# KiCad board rgbwstrip120_250_panel.kicad_pcb (continued)
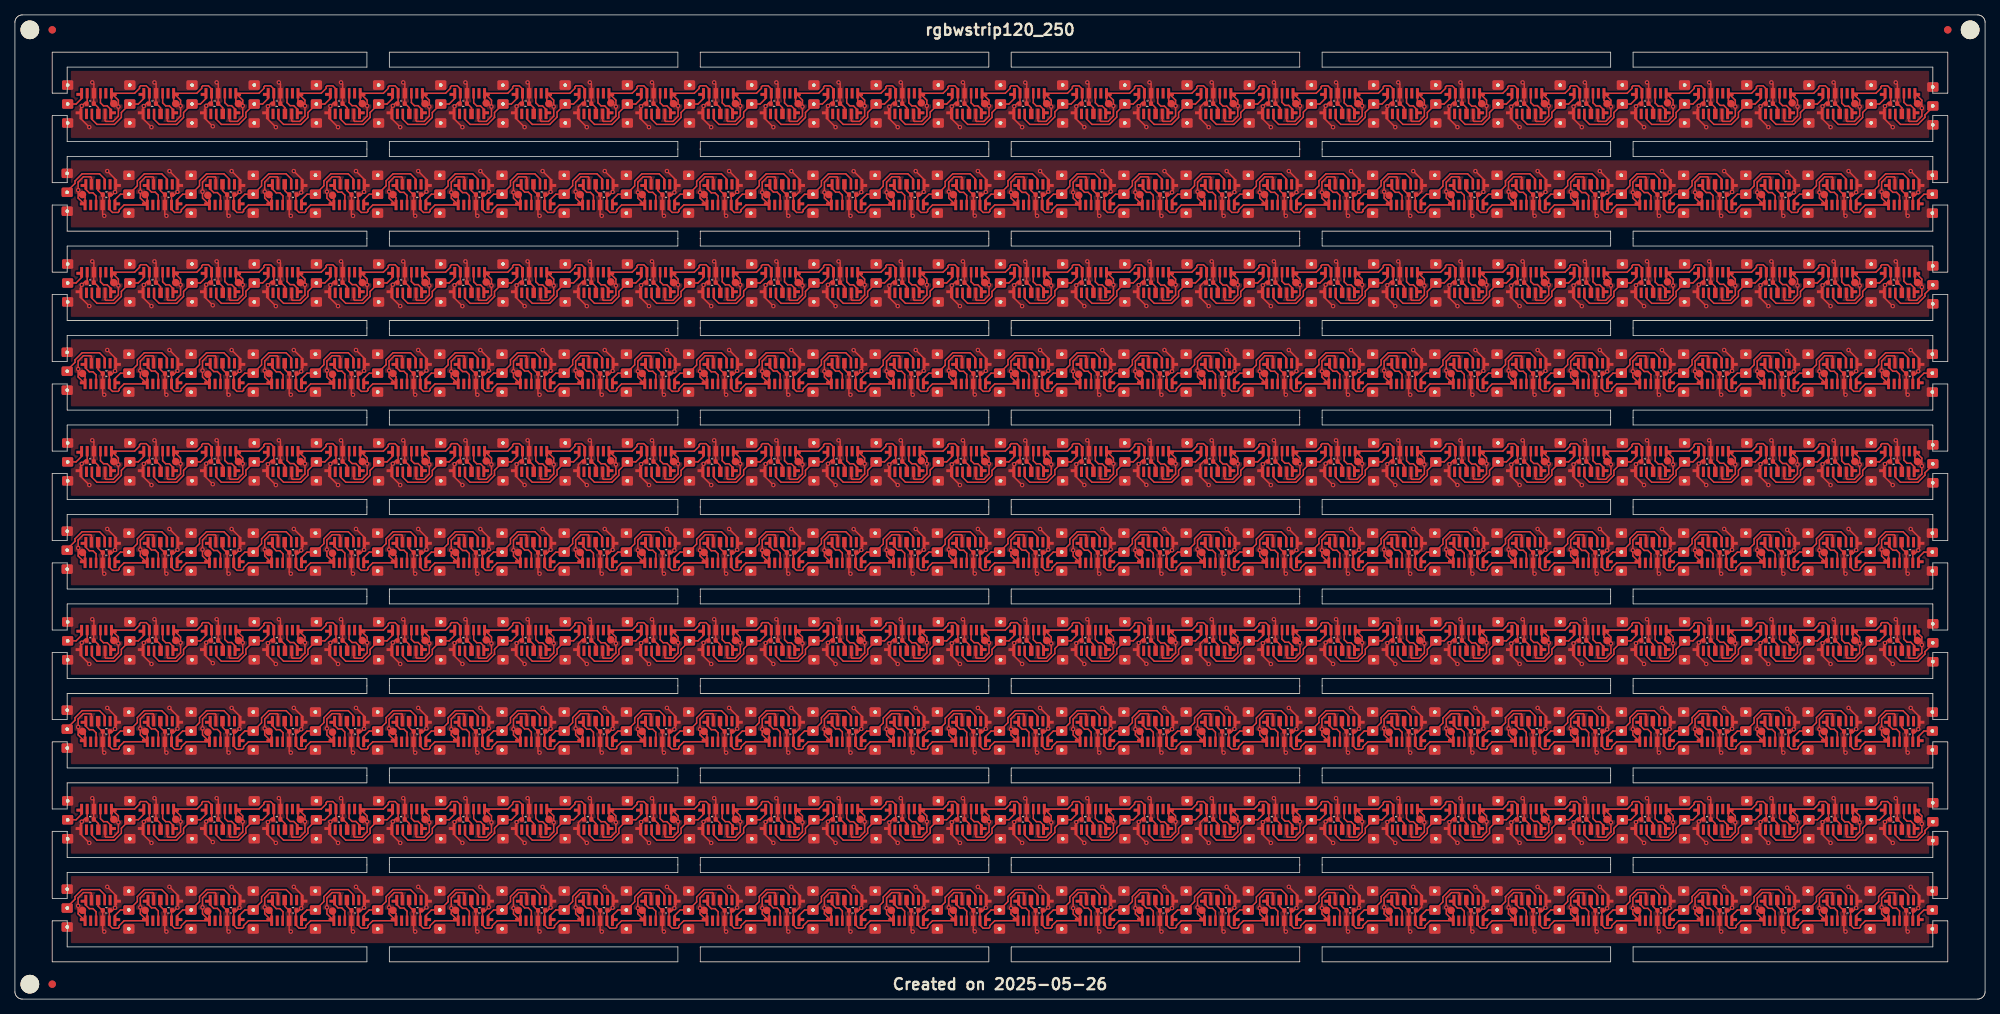
[diagram p0: board, top side]
## Routing (per net, layer and track width the routed paths; a pad name or vN(x,y) marks a point on that pad's centre or on a via; arc(x,y) is an arc through that point) (continued)
Board_8-Net-(J14-Pin_2): length 10.4
  Top w0.2: U28#5.6 117.27,24.79 116.53,24.05 115.5,24.05 ; 110.31,22.72 110.31,22 110.99,21.32 113.33,21.32 113.33,21.32 114.26,22.25 114.26,22.91 J14#2.2
Board_8-Net-(J15-Pin_2): length 10.4
  Top w0.2: 123.83,24.05 124.86,24.05 125.6,24.79 U30#2.6 ; 118.65,22.72 118.65,22 119.33,21.32 121.66,21.32 122.65,22.3 122.65,22.97 J15#4.2
Board_8-Net-(J16-Pin_2): length 10.4
  Top w0.2: 132.16,24.05 133.19,24.05 133.93,24.79 U32#3.6 ; J16.2 130.93,22.91 130.93,22.25 130,21.32 127.66,21.32 126.98,22 126.98,22.72
Board_8-Net-(J17-Pin_2): length 10.4
  Top w0.2: U34#7.6 142.27,24.79 141.53,24.05 140.5,24.05 ; 135.31,22.72 135.31,22 135.99,21.32 138.33,21.32 139.35,22.33 139.35,23 J17#4.2
Board_8-Net-(J18-Pin_2): length 10.4
  Top w0.2: 143.65,22.72 143.65,22 144.33,21.32 146.66,21.32 147.65,22.3 147.65,22.97 J18#6.2 ; U36#3.6 150.6,24.79 149.86,24.05 148.83,24.05
Board_8-Net-(J19-Pin_2): length 10.4
  Top w0.2: 157.16,24.05 158.19,24.05 158.93,24.79 U38#6.6 ; J19#9.2 155.93,22.91 155.93,22.25 155,21.32 152.66,21.32 151.98,22 151.98,22.72
Board_8-Net-(J20-Pin_2): length 10.4
  Top w0.2: 160.31,22.72 160.31,22 160.99,21.32 163.33,21.32 164.26,22.25 164.26,22.91 J20#8.2 ; 165.5,24.05 166.53,24.05 167.27,24.79 U40#6.6
Board_8-Net-(J21-Pin_2): length 10.4
  Top w0.2: 173.83,24.05 174.86,24.05 175.6,24.79 U42#8.6 ; 168.65,22.72 168.65,22 169.33,21.32 171.66,21.32 172.65,22.3 172.65,22.97 J21#4.2
Board_8-Net-(J22-Pin_2): length 10.4
  Top w0.2: 176.98,22.72 176.98,22 177.66,21.32 180,21.32 180.95,22.27 180.95,22.93 J22#8.2 ; U44#6.6 183.93,24.79 183.19,24.05 182.16,24.05
Board_8-Net-(J23-Pin_2): length 10.4
  Top w0.2: J23#3.2 189.26,22.91 189.26,22.25 188.33,21.32 185.99,21.32 185.31,22 185.31,22.72 ; 190.5,24.05 191.53,24.05 192.27,24.79 U46#6.6
Board_8-Net-(J24-Pin_2): length 10.4
  Top w0.2: 193.65,22.72 193.65,22 194.33,21.32 196.66,21.32 197.6,22.25 197.6,22.91 J24#7.2 ; 198.83,24.05 199.86,24.05 200.6,24.79 U48.6
Board_8-Net-(J25-Pin_2): length 10.4
  Top w0.2: 201.98,22.72 201.98,22 202.66,21.32 205,21.32 205.95,22.27 205.95,22.93 J25#4.2 ; U50#10.6 208.93,24.79 208.19,24.05 207.16,24.05
Board_8-Net-(J26-Pin_2): length 10.4
  Top w0.2: 210.31,22.72 210.31,22 210.99,21.32 213.33,21.32 214.26,22.25 214.26,22.91 J26#5.2 ; 215.5,24.05 216.53,24.05 217.27,24.79 U52#4.6
Board_8-Net-(J27-Pin_2): length 10.4
  Top w0.2: U54#9.6 225.6,24.79 224.86,24.05 223.83,24.05 ; J27#6.2 222.6,22.91 222.6,22.25 221.66,21.32 219.33,21.32 218.65,22 218.65,22.72
Board_8-Net-(J28-Pin_2): length 10.4
  Top w0.2: 226.98,22.72 226.98,22 227.66,21.32 230,21.32 230.95,22.27 230.95,22.93 J28#6.2 ; 232.16,24.05 233.19,24.05 233.93,24.79 U56#6.6
Board_8-Net-(J29-Pin_2): length 10.4
  Top w0.2: 235.31,22.72 235.31,22 235.99,21.32 238.33,21.32 239.26,22.25 239.26,22.91 J29#3.2 ; U58#9.6 242.27,24.79 241.53,24.05 240.5,24.05
Board_8-Net-(J30-Pin_2): length 10.4
  Top w0.2: 243.65,22.72 243.65,22 244.33,21.32 246.66,21.32 247.6,22.25 247.6,22.91 J30#3.2 ; 248.83,24.05 249.86,24.05 250.6,24.79 U60.6
Board_8-Net-(J31-Pin_2): length 7.2
  Top w0.2: 251.98,22.72 251.98,22 252.66,21.32 255,21.32 255.95,22.27 255.95,22.6 256.6,23.25 256.6,23.79
Board_8-Net-(U1-DIN): length 3.5
  Top w0.2: 12.83,22.27 12.83,23.33 12.37,23.8 11.87,23.8 11.46,24.21 11.46,24.92
Board_8-Net-(U3-DIN): length 3.5
  Top w0.2: 19.79,24.92 19.79,24.21 20.2,23.8 20.7,23.8 21.17,23.33 21.17,22.27
Board_8-Net-(U5-DIN): length 3.5
  Top w0.2: 29.5,22.3 29.5,23.36 29.03,23.83 28.53,23.83 28.12,24.24 28.12,24.95
Board_8-Net-(U7-DIN): length 3.5
  Top w0.2: 37.83,22.3 37.83,23.36 37.37,23.83 36.87,23.83 36.46,24.24 36.46,24.95
Board_8-Net-(U10-DOUT): length 3.5
  Top w0.2: 44.77,24.95 44.77,24.24 45.18,23.83 45.68,23.83 46.15,23.36 46.15,22.3
Board_8-Net-(U11-DIN): length 3.5
  Top w0.2: 53.12,24.95 53.12,24.24 53.53,23.83 54.03,23.83 54.5,23.36 54.5,22.3
Board_8-Net-(U13-DIN): length 3.5
  Top w0.2: 62.85,22.27 62.85,23.33 62.38,23.8 61.88,23.8 61.47,24.21 61.47,24.92
Board_8-Net-(U15-DIN): length 3.5
  Top w0.2: 69.79,24.92 69.79,24.21 70.2,23.8 70.7,23.8 71.17,23.33 71.17,22.27
Board_8-Net-(U17-DIN): length 3.5
  Top w0.2: 78.12,24.92 78.12,24.21 78.53,23.8 79.03,23.8 79.5,23.33 79.5,22.27
Board_8-Net-(U19-DIN): length 3.5
  Top w0.2: 86.46,24.92 86.46,24.21 86.87,23.8 87.37,23.8 87.83,23.33 87.83,22.27
Board_8-Net-(U21-DIN): length 3.5
  Top w0.2: 96.15,22.27 96.15,23.33 95.68,23.8 95.18,23.8 94.78,24.21 94.78,24.92
Board_8-Net-(U23-DIN): length 3.5
  Top w0.2: 103.12,24.92 103.12,24.21 103.53,23.8 104.03,23.8 104.5,23.33 104.5,22.27
Board_8-Net-(U25-DIN): length 3.5
  Top w0.2: 112.83,22.27 112.83,23.33 112.37,23.8 111.87,23.8 111.46,24.21 111.46,24.92
Board_8-Net-(U27-DIN): length 3.5
  Top w0.2: 119.78,24.92 119.78,24.21 120.18,23.8 120.68,23.8 121.15,23.33 121.15,22.27
Board_8-Net-(U29-DIN): length 3.5
  Top w0.2: 128.12,24.92 128.12,24.21 128.53,23.8 129.03,23.8 129.5,23.33 129.5,22.27
Board_8-Net-(U31-DIN): length 3.5
  Top w0.2: 136.46,24.92 136.46,24.21 136.87,23.8 137.37,23.8 137.83,23.33 137.83,22.27
Board_8-Net-(U33-DIN): length 3.5
  Top w0.2: 146.15,22.27 146.15,23.33 145.68,23.8 145.18,23.8 144.78,24.21 144.78,24.92
Board_8-Net-(U35-DIN): length 3.5
  Top w0.2: 153.12,24.89 153.12,24.18 153.53,23.77 154.03,23.77 154.5,23.3 154.5,22.24
Board_8-Net-(U37-DIN): length 3.5
  Top w0.2: 161.46,24.89 161.46,24.18 161.87,23.77 162.37,23.77 162.83,23.3 162.83,22.24
Board_8-Net-(U39-DIN): length 3.5
  Top w0.2: 171.15,22.34 171.15,23.4 170.68,23.87 170.18,23.87 169.78,24.28 169.78,24.99
Board_8-Net-(U41-DIN): length 3.5
  Top w0.2: 179.5,22.27 179.5,23.33 179.03,23.8 178.53,23.8 178.12,24.21 178.12,24.92
Board_8-Net-(U43-DIN): length 3.5
  Top w0.2: 186.47,24.92 186.47,24.21 186.88,23.8 187.38,23.8 187.85,23.33 187.85,22.27
Board_8-Net-(U45-DIN): length 3.5
  Top w0.2: 196.17,22.24 196.17,23.3 195.7,23.77 195.2,23.77 194.79,24.18 194.79,24.89
Board_8-Net-(U47-DIN): length 3.5
  Top w0.2: 203.11,24.96 203.11,24.24 203.52,23.83 204.02,23.83 204.48,23.37 204.48,22.31
Board_8-Net-(U49-DIN): length 3.5
  Top w0.2: 212.83,22.27 212.83,23.33 212.37,23.8 211.87,23.8 211.46,24.21 211.46,24.92
Board_8-Net-(U51-DIN): length 3.5
  Top w0.2: 219.79,24.89 219.79,24.18 220.2,23.77 220.7,23.77 221.17,23.3 221.17,22.24
Board_8-Net-(U53-DIN): length 3.5
  Top w0.2: 229.45,22.34 229.45,23.4 228.98,23.87 228.48,23.87 228.07,24.28 228.07,24.99
Board_8-Net-(U55-DIN): length 3.5
  Top w0.2: 236.46,24.96 236.46,24.24 236.87,23.83 237.37,23.83 237.83,23.37 237.83,22.31
Board_8-Net-(U57-DIN): length 3.5
  Top w0.2: 244.79,24.89 244.79,24.18 245.2,23.77 245.7,23.77 246.17,23.3 246.17,22.24
Board_8-Net-(U59-DIN): length 3.5
  Top w0.2: 253.12,24.99 253.12,24.28 253.53,23.87 254.03,23.87 254.5,23.4 254.5,22.34
Board_9-+3.3V: length 592.6
  Top w0.2: 109.26,10.57 109.32,10.51 ; v1(29.04,15.05) 30.17,13.92 U55#4.1 ; U26#9.1 150.14,11.44 v1(150.14,12.2) 150.14,13.58 150.84,14.28 151.81,14.28 151.92,14.18 U25#9.5 ; U26#9.1 147.96,10.51 147.3,9.85 147.3,9.65 147.15,9.5 146.41,9.5 145.98,9.93 U28.5 145.98,11.75 146.06,11.83 146.34,11.83 v1(146.83,12.32) 146.83,12.32 146.83,13.16 ; U26#9.1 151.07,11.58 K3.1 ; U52#8.1 39.63,10.51 38.97,9.85 38.97,9.65 38.82,9.5 38.07,9.5 37.65,9.93 U54#7.5 37.65,11.75 37.73,11.83 38.01,11.83 v1(38.36,12.19) 38.5,12.32 38.5,13.16 ; U52#8.1 41.8,11.44 v1(41.8,12.3) 41.8,13.58 42.51,14.28 43.48,14.28 43.58,14.18 U51#6.5 ; U52#8.1 42.73,11.62 K19#2.1 ; U38.1 97.96,10.51 97.3,9.85 97.3,9.65 97.15,9.5 96.41,9.5 95.98,9.93 U40#9.5 95.98,11.75 96.06,11.83 96.34,11.83 v1(96.78,12.27) 96.83,12.32 96.83,13.16 ; U38.1 100.14,11.44 v1(100.14,12.2) 100.14,13.58 100.84,14.28 101.81,14.28 101.92,14.18 U37#2.5 ; U38.1 101.07,11.58 K5#4.1 ; U42#3.1 83.47,11.44 v1(83.47,12.2) 83.47,13.58 84.17,14.28 85.14,14.28 85.25,14.18 U41#2.5 ; U42#3.1 81.29,10.51 80.64,9.85 80.64,9.65 80.49,9.5 79.74,9.5 79.32,9.93 U44#10.5 79.32,11.75 79.4,11.83 79.68,11.83 v1(80.1,12.25) 80.17,12.32 80.17,13.16 ; U42#3.1 84.4,11.55 K10.1 ; U4#2.1 239.63,10.51 238.97,9.85 238.97,9.65 238.82,9.5 238.07,9.5 237.65,9.93 U6#10.5 237.65,11.75 237.73,11.83 238.01,11.83 v1(238.36,12.19) 238.5,12.32 238.5,13.16 ; U4#2.1 242.45,10.79 ; U4#2.1 242.73,11.62 K6#8.1 ; U4#2.1 241.8,11.44 v1(241.8,12.2) 241.8,13.58 242.51,14.28 243.48,14.28 243.58,14.18 U3#2.5 ; U34#6.1 117.73,11.62 K4.1 ; U34#6.1 114.63,10.51 113.97,9.85 113.97,9.65 113.82,9.5 113.07,9.5 112.65,9.93 U36#9.5 112.65,11.75 112.73,11.83 113.01,11.83 v1(113.41,12.24) 113.5,12.32 113.5,13.16 ; U34#6.1 116.8,11.44 v1(116.8,12.2) 116.8,13.58 117.51,14.28 118.48,14.28 118.58,14.18 U33#3.5 ; v1(12.37,15.05) 13.5,13.92 U59#9.1 ; 75.92,10.57 75.98,10.51 ; K15#3.1 51.07,11.48 U50#4.1 ; U23#3.5 160.25,14.18 160.14,14.28 159.17,14.28 158.47,13.58 v1(158.47,12.3) 158.47,11.44 U24#2.1 ; v1(54.04,15.05) 55.17,13.92 U49.1 ; U41#2.1 88.5,13.92 v1(87.37,15.05) ; 155.17,13.16 155.17,12.32 v1(155.05,12.2) 154.68,11.83 154.4,11.83 154.32,11.75 U26#9.5 154.32,9.93 154.74,9.5 155.49,9.5 155.64,9.65 155.64,9.85 156.29,10.51 U24#2.1 ; U47#5.5 60.25,14.18 60.14,14.28 59.17,14.28 58.47,13.58 v1(58.47,12.2) 58.47,11.44 U48#2.1 ; 171.83,13.16 171.83,12.32 v1(171.73,12.22) 171.34,11.83 171.06,11.83 170.98,11.75 U22.5 170.98,9.93 171.41,9.5 172.15,9.5 172.3,9.65 172.3,9.85 172.96,10.51 U20.1 ; U9#4.1 221.83,13.92 v1(220.7,15.05) ; U45.1 71.83,13.92 v1(70.7,15.05) ; v1(45.7,15.05) 46.83,13.92 U51#6.1 ; U53#7.5 35.25,14.18 35.14,14.28 34.17,14.28 33.47,13.58 v1(33.47,12.3) 33.47,11.44 U54#7.1 ; v1(229.04,15.05) 230.17,13.92 U7#4.1 ; 46.83,13.16 46.83,12.32 v1(46.78,12.27) 46.34,11.83 46.06,11.83 45.98,11.75 U52#8.5 45.98,9.93 46.41,9.5 47.15,9.5 47.3,9.65 47.3,9.85 47.96,10.51 U50#4.1 ; 159.26,10.57 159.32,10.51 ; U16#2.1 189.63,10.51 188.97,9.85 188.97,9.65 188.82,9.5 188.07,9.5 187.65,9.93 U18.5 187.65,11.75 187.73,11.83 188.01,11.83 188.5,12.32 188.5,13.16 ; U16#2.1 192.73,11.62 K2#10.1 ; U16#2.1 191.8,11.44 v1(191.8,12.3) 191.8,13.58 192.51,14.28 193.48,14.28 193.58,14.18 U15#10.5 ; U33#3.1 121.83,13.92 v1(120.7,15.05) ; U35#3.1 113.5,13.92 v1(112.39,15.04) 112.37,15.05 ; 180.17,13.16 180.17,12.32 v1(180.1,12.25) 179.68,11.83 179.4,11.83 179.32,11.75 U20.5 179.32,9.93 179.74,9.5 180.49,9.5 180.64,9.65 180.64,9.85 181.29,10.51 U18.1 ; U21.5 168.58,14.18 168.48,14.28 167.51,14.28 166.8,13.58 v1(166.8,12.2) 166.8,11.44 U22.1 ; U21.1 171.83,13.92 v1(170.7,15.05) ; U36#9.1 108.47,11.44 v1(108.47,12.2) 108.47,13.58 109.17,14.28 110.14,14.28 110.25,14.18 U35#3.5 ; U36#9.1 109.4,11.55 K30#4.1 ; U36#9.1 106.29,10.51 105.64,9.85 105.64,9.65 105.49,9.5 104.74,9.5 104.32,9.93 U38.5 104.32,11.75 104.4,11.83 104.68,11.83 105.17,12.32 105.17,13.16 ; 134.26,10.57 134.32,10.51 ; v1(183.47,12.3) 183.97,11.8 K7#2.1 184.4,11.55 U18.1 ; v1(183.47,12.3) 183.47,13.58 184.17,14.28 185.14,14.28 185.25,14.18 U17#3.5 ; v1(183.47,12.3) 183.47,11.44 U18.1 ; v1(145.7,15.05) 146.83,13.92 U27#10.1 ; U9#4.5 218.58,14.18 218.48,14.28 217.51,14.28 216.8,13.58 v1(216.8,12.2) 216.8,11.44 U10#10.1 ; U15#10.1 196.83,13.92 v1(195.7,15.05) ; U39#6.5 93.58,14.18 93.48,14.28 92.51,14.28 91.8,13.58 v1(91.8,12.2) 91.8,11.44 U40#9.1 ; v1(79.04,15.05) 80.17,13.92 U43#5.1 ; 234.26,10.57 234.32,10.51 ; U28.1 139.63,10.51 138.97,9.85 138.97,9.65 138.82,9.5 138.07,9.5 137.65,9.93 U30#7.5 137.65,11.75 137.73,11.83 138.01,11.83 v1(138.46,12.29) 138.5,12.32 138.5,13.16 ; U28.1 142.73,11.62 K13#9.1 ; U28.1 141.8,11.44 v1(141.8,12.2) 141.8,13.58 142.51,14.28 143.48,14.28 143.58,14.18 U27#10.5 ; 192.59,10.57 192.65,10.51 ; U56#2.1 25.14,11.44 v1(25.14,12.3) 25.14,13.58 25.84,14.28 26.81,14.28 26.92,14.18 U55#4.5 ; U56#2.1 22.96,10.51 22.3,9.85 22.3,9.65 22.15,9.5 21.41,9.5 20.98,9.93 U58#3.5 20.98,11.75 21.06,11.83 21.34,11.83 v1(21.78,12.27) 21.83,12.32 21.83,13.16 ; U56#2.1 26.07,11.58 K20#9.1 ; v1(200.15,12.3) 200.62,11.83 K27#8.1 201.07,11.62 U14#5.1 ; v1(200.15,12.3) 200.14,13.58 200.84,14.28 201.81,14.28 201.92,14.18 U13#5.5 ; v1(200.15,12.3) 200.14,11.44 U14#5.1 ; v1(162.37,15.05) 163.5,13.92 U23#3.1 ; U10#10.1 214.63,10.51 213.97,9.85 213.97,9.65 213.82,9.5 213.07,9.5 212.65,9.93 U12#10.5 212.65,11.75 212.73,11.83 213.01,11.83 v1(213.36,12.19) 213.5,12.32 213.5,13.16 ; U10#10.1 217.73,11.62 K16#2.1 ; U25#9.1 155.17,13.92 v1(154.04,15.05) ; U43#5.5 76.92,14.18 76.81,14.28 75.84,14.28 75.14,13.58 v1(75.14,12.3) 75.14,11.44 U44#10.1 ; U29.5 135.25,14.18 135.14,14.28 134.17,14.28 133.47,13.58 v1(133.47,12.2) 133.47,11.44 U30#7.1 ; U30#7.1 134.4,11.55 K18#4.1 ; U30#7.1 131.29,10.51 130.64,9.85 130.64,9.65 130.49,9.5 129.74,9.5 129.32,9.93 U32#2.5 129.32,11.75 129.4,11.83 129.68,11.83 v1(130.1,12.25) 130.17,12.32 130.17,13.16 ; U8#6.1 222.96,10.51 222.3,9.85 222.3,9.65 222.15,9.5 221.41,9.5 220.98,9.93 U10#10.5 220.98,11.75 221.06,11.83 221.34,11.83 v1(221.73,12.22) 221.83,12.32 221.83,13.16 ; U8#6.1 226.07,11.58 K21#9.1 ; U8#6.1 225.75,10.83 ; U8#6.1 225.14,11.44 v1(225.14,12.2) 225.14,13.58 225.84,14.28 226.81,14.28 226.92,14.18 U7#4.5 ; 167.59,10.57 167.65,10.51 ; 200.92,10.57 200.98,10.51 ; U1#7.1 255.17,13.92 v1(254.04,15.05) ; U50#4.1 50.14,11.44 v1(50.14,12.3) 50.14,13.58 50.84,14.28 51.81,14.28 51.92,14.18 U49.5 ; K23#10.1 67.73,11.62 U46#4.1 ; U58#3.1 16.8,11.44 v1(16.8,12.3) 16.8,13.58 17.51,14.28 18.48,14.28 18.58,14.18 U57#10.5 ; U58#3.1 14.63,10.51 13.97,9.85 13.97,9.65 13.82,9.5 13.07,9.5 12.65,9.93 U60#3.5 12.65,11.75 12.73,11.83 13.01,11.83 v1(13.41,12.24) 13.5,12.32 13.5,13.16 ; U58#3.1 17.73,11.62 K25#5.1 ; U54#7.1 34.4,11.55 K24#6.1 ; U54#7.1 31.29,10.51 30.64,9.85 30.64,9.65 30.49,9.5 29.74,9.5 29.32,9.93 U56#2.5 29.32,11.75 29.4,11.83 29.68,11.83 v1(30.1,12.25) 30.17,12.32 30.17,13.16 ; U48#2.1 56.29,10.51 55.64,9.85 55.64,9.65 55.49,9.5 54.74,9.5 54.32,9.93 U50#4.5 54.32,11.75 54.4,11.83 54.68,11.83 v1(55.15,12.3) 55.17,12.32 55.17,13.16 ; U48#2.1 59.4,11.55 K28#2.1 ; U19#6.1 180.17,13.92 v1(179.04,15.05) ; 84.26,10.57 84.32,10.51 ; U14#5.1 197.96,10.51 197.3,9.85 197.3,9.65 197.15,9.5 196.41,9.5 195.98,9.93 U16#2.5 195.98,11.75 196.06,11.83 196.34,11.83 v1(196.78,12.27) 196.83,12.32 196.83,13.16 ; U12#10.1 206.29,10.51 205.64,9.85 205.64,9.65 205.49,9.5 204.74,9.5 204.32,9.93 U14#5.5 204.32,11.75 204.4,11.83 204.68,11.83 v1(205.1,12.25) 205.17,12.32 205.17,13.16 ; U12#10.1 208.47,11.44 v1(208.47,12.3) 208.47,13.58 209.17,14.28 210.14,14.28 210.25,14.18 U11#10.5 ; U12#10.1 209.4,11.55 K11#5.1 ; 217.59,10.57 217.65,10.51 ; 184.26,10.57 184.32,10.51 ; U5#2.1 238.5,13.92 v1(237.49,14.94) 237.37,15.05 ; v1(212.37,15.05) 213.5,13.92 U11#10.1 ; 175.92,10.57 175.98,10.51 ; v1(104.04,15.05) 105.17,13.92 U37#2.1 ; U24#2.1 159.4,11.55 K17#6.1 ; 92.59,10.57 92.65,10.51 ; 9.26,10.57 9.32,10.51 ; v1(20.7,15.05) 21.83,13.92 U57#10.1 ; K12#4.1 176.07,11.58 U20.1 ; 71.83,13.16 71.83,12.32 v1(71.78,12.27) 71.34,11.83 71.06,11.83 70.98,11.75 U46#4.5 70.98,9.93 71.41,9.5 72.15,9.5 72.3,9.65 72.3,9.85 72.96,10.51 U44#10.1 ; 254.32,9.93 U2.5 254.32,11.75 254.4,11.83 254.68,11.83 v1(255.05,12.2) 255.17,12.32 255.17,13.16 ; 100.92,10.57 100.98,10.51 ; v1(245.7,15.05) 246.83,13.92 U3#2.1 ; U32#2.1 126.07,11.58 K8#2.1 ; U32#2.1 122.96,10.51 122.3,9.85 122.3,9.65 122.15,9.5 121.41,9.5 120.98,9.93 U34#6.5 120.98,11.75 121.06,11.83 121.34,11.83 v1(121.78,12.27) 121.83,12.32 121.83,13.16 ; U32#2.1 125.14,11.44 v1(125.14,12.3) 125.14,13.58 125.84,14.28 126.81,14.28 126.92,14.18 U31#6.5 ; K22#7.1 167.73,11.62 U22.1 ; U6#10.1 231.29,10.51 230.64,9.85 230.64,9.65 230.49,9.5 229.74,9.5 229.32,9.93 U8#6.5 229.32,11.75 229.4,11.83 229.68,11.83 v1(230.1,12.25) 230.17,12.32 230.17,13.16 ; U6#10.1 234.4,11.55 K26.1 ; U6#10.1 233.47,11.44 v1(233.47,12.2) 233.47,13.58 234.17,14.28 235.14,14.28 235.25,14.18 U5#2.5 ; U40#9.1 89.63,10.51 88.97,9.85 88.97,9.65 88.82,9.5 88.07,9.5 87.65,9.93 U42#3.5 87.65,11.75 87.73,11.83 88.01,11.83 v1(88.36,12.19) 88.5,12.32 88.5,13.16 ; U40#9.1 92.73,11.52 K9#6.1 ; U19#6.5 176.92,14.18 176.81,14.28 175.84,14.28 175.14,13.58 v1(175.14,12.2) 175.14,11.44 U20.1 ; K1#3.1 251.07,11.58 U2.1 ; 50.92,10.57 50.98,10.51 ; U46#4.1 66.8,11.44 v1(66.8,12.2) 66.8,13.58 67.51,14.28 68.48,14.28 68.58,14.18 U45.5 ; U46#4.1 64.63,10.51 63.97,9.85 63.97,9.65 63.82,9.5 63.07,9.5 62.65,9.93 U48#2.5 62.65,11.75 62.73,11.83 63.01,11.83 v1(63.5,12.32) 63.5,13.16 ; 42.59,10.57 42.65,10.51 ; U47#5.1 63.5,13.92 v1(62.37,15.05) ; v1(137.37,15.05) 138.5,13.92 U29.1 ; U2.1 250.14,11.44 v1(250.14,12.3) 250.14,13.58 250.84,14.28 251.81,14.28 251.92,14.18 U1#7.5 ; U2.1 247.96,10.51 247.3,9.85 247.3,9.65 247.15,9.5 246.41,9.5 245.98,9.93 U4#2.5 245.98,11.75 246.06,11.83 246.34,11.83 v1(246.73,12.22) 246.83,12.32 246.83,13.16 ; U2.1 250.75,10.82 ; v1(37.37,15.05) 38.5,13.92 U53#7.1 ; U44#10.1 76.07,11.58 K14#6.1 ; v1(129.04,15.05) 130.17,13.92 U31#6.1 ; 209.26,10.57 209.32,10.51 ; v1(95.7,15.05) 96.83,13.92 U39#6.1 ; 67.59,10.57 67.65,10.51 ; v1(204.04,15.05) 205.17,13.92 U13#5.1 ; U22.1 164.63,10.51 163.97,9.85 163.97,9.65 163.82,9.5 163.07,9.5 162.65,9.93 U24#2.5 162.65,11.75 162.73,11.83 163.01,11.83 v1(163.41,12.24) 163.5,12.32 163.5,13.16 ; 25.92,10.57 25.98,10.51 ; K29#7.1 9.4,11.55 U60#3.1 8.47,11.44 v1(8.47,12.5) 8.47,13.58 9.17,14.28 10.14,14.28 10.25,14.18 U59#9.5 ; 142.59,10.57 142.65,10.51 ; v1(187.37,15.05) 188.5,13.92 U17#3.1 ; 225.92,10.57 225.98,10.51 ; 34.26,10.57 34.32,10.51 ; 242.59,10.57 242.65,10.51 ; 125.92,10.57 125.98,10.51 ; 150.92,10.57 150.98,10.51 ; 250.92,10.57 250.98,10.51 ; 117.59,10.57 117.65,10.51 ; 59.26,10.57 59.32,10.51 ; 17.59,10.57 17.65,10.51
Board_9-GND: length 133.9
  Top w0.2: v1(153.64,9.05) 153.42,9.27 U26#9.4 153.44,10.53 153.44,11.83 152.82,12.45 152.82,13.16 ; 19.48,13.16 19.48,12.45 20.1,11.83 20.1,10.53 U58#3.4 20.08,9.27 v1(20.3,9.05) 20.3,9.05 ; 77.82,13.16 77.82,12.45 78.44,11.83 78.44,10.53 U44#10.4 78.42,9.27 v1(78.64,9.05) ; v1(161.97,9.05) 161.75,9.27 U24#2.4 161.77,10.53 161.77,11.83 161.15,12.45 161.15,13.16 ; v1(178.64,9.05) 178.42,9.27 U20.4 178.44,10.53 178.44,11.83 177.82,12.45 177.82,13.16 ; v1(70.3,9.05) 70.08,9.27 U46#4.4 70.1,10.53 70.1,11.83 69.48,12.45 69.48,13.16 ; v1(170.3,9.05) 170.08,9.27 U22.4 170.1,10.53 170.1,11.83 169.48,12.45 169.48,13.16 ; 128.64,9.05 v1(128.62,9.07) 128.42,9.27 U32#2.4 128.44,10.53 128.44,11.83 127.82,12.45 127.82,13.16 ; v1(120.3,9.05) 120.08,9.27 U34#6.4 120.1,10.53 120.1,11.83 119.48,12.45 119.48,13.16 ; 111.15,13.16 111.15,12.45 111.77,11.83 111.77,10.53 U36#9.4 111.75,9.27 v1(111.97,9.05) ; 102.82,13.16 102.82,12.45 103.44,11.83 103.44,10.53 U38.4 103.42,9.27 v1(103.64,9.05) ; 61.15,13.16 61.15,12.45 61.77,11.83 61.77,10.53 U48#2.4 61.75,9.27 v1(61.97,9.05) ; 11.15,13.16 11.15,12.45 11.77,11.83 11.77,10.53 U60#3.4 11.75,9.27 v1(11.97,9.05) ; 86.15,13.16 86.15,12.45 86.77,11.83 86.77,10.53 U42#3.4 86.75,9.27 v1(86.97,9.05) ; v1(136.97,9.05) 136.75,9.27 U30#7.4 136.77,10.53 136.77,11.83 136.15,12.45 136.15,13.16 ; 194.48,13.16 194.48,12.45 195.1,11.83 195.1,10.53 U16#2.4 195.08,9.27 v1(195.3,9.05) ; 36.15,13.16 36.15,12.45 36.77,11.83 36.77,10.53 U54#7.4 36.75,9.27 v1(36.97,9.05) ; 252.82,13.16 252.82,12.45 253.44,11.83 253.44,10.53 U2.4 253.42,9.27 v1(253.64,9.05) ; v1(145.3,9.05) 145.08,9.27 U28.4 145.1,10.53 145.1,11.83 144.48,12.45 144.48,13.16 ; v1(211.97,9.05) 211.75,9.27 U12#10.4 211.77,10.53 211.77,11.83 211.15,12.45 211.15,13.16 ; 236.15,13.16 236.15,12.45 236.77,11.83 236.77,10.53 U6#10.4 236.75,9.27 v1(236.97,9.05) ; 44.48,13.16 44.48,12.45 45.1,11.83 45.1,10.53 U52#8.4 45.08,9.27 v1(45.3,9.05) ; v1(53.64,9.05) 53.42,9.27 U50#4.4 53.44,10.53 53.44,11.83 52.82,12.45 52.82,13.16 ; v1(95.3,9.05) 95.08,9.27 U40#9.4 95.1,10.53 95.1,11.83 94.48,12.45 94.48,13.16 ; 27.82,13.16 27.82,12.45 28.44,11.83 28.44,10.53 U56#2.4 28.42,9.27 v1(28.64,9.05) ; v1(228.64,9.05) 228.42,9.27 U8#6.4 228.44,10.53 228.44,11.83 227.82,12.45 227.82,13.16 ; 202.82,13.16 202.82,12.45 203.44,11.83 203.44,10.53 U14#5.4 203.42,9.27 v1(203.64,9.05) ; 244.48,13.16 244.48,12.45 245.1,11.83 245.1,10.53 U4#2.4 245.08,9.27 v1(245.3,9.05) ; v1(186.97,9.05) 186.75,9.27 U18.4 186.77,10.53 186.77,11.83 186.15,12.45 186.15,13.16 ; v1(220.3,9.05) 220.08,9.27 U10#10.4 220.1,10.53 220.1,11.83 219.48,12.45 219.48,13.16
Board_9-Net-(J1-Pin_2): length 2.8
  Top w0.2: U2.6 255.07,11.21 255.81,11.95 256.84,11.95
Board_9-Net-(J2-Pin_2): length 10.4
  Top w0.2: 248.5,11.95 247.47,11.95 246.73,11.21 U4#2.6 ; 253.69,13.28 253.69,14 253.01,14.68 250.67,14.68 249.74,13.75 249.74,13.09 J2#6.2
Board_9-Net-(J3-Pin_2): length 10.4
  Top w0.2: 245.35,13.28 245.35,14 244.67,14.68 242.34,14.68 241.4,13.75 241.4,13.09 J3#2.2 ; 240.17,11.95 239.14,11.95 238.4,11.21 U6#10.6
Board_9-Net-(J4-Pin_2): length 10.4
  Top w0.2: 237.02,13.28 237.02,14 236.34,14.68 234,14.68 233.05,13.73 233.05,13.07 J4#6.2 ; U8#6.6 230.07,11.21 230.81,11.95 231.84,11.95
Board_9-Net-(J5-Pin_2): length 10.4
  Top w0.2: 223.5,11.95 222.47,11.95 221.73,11.21 U10#10.6 ; 228.69,13.28 228.69,14 228.01,14.68 225.67,14.68 224.74,13.75 224.74,13.09 J5#5.2
Board_9-Net-(J6-Pin_2): length 10.4
  Top w0.2: U12#10.6 213.4,11.21 214.14,11.95 215.17,11.95 ; 220.35,13.28 220.35,14 219.67,14.68 217.34,14.68 216.4,13.75 216.4,13.09 J6#4.2
Board_9-Net-(J7-Pin_2): length 10.4
  Top w0.2: 206.84,11.95 205.81,11.95 205.07,11.21 U14#5.6 ; 212.02,13.28 212.02,14 211.34,14.68 209,14.68 208.07,13.75 208.07,13.09 J7#7.2
Board_9-Net-(J8-Pin_2): length 10.4
  Top w0.2: J8.2 199.74,13.09 199.74,13.58 199.73,13.74 199.74,13.74 199.74,13.75 200.67,14.68 203.01,14.68 203.69,14 203.69,13.28 ; U16#2.6 196.73,11.21 197.47,11.95 198.5,11.95
Board_9-Net-(J9-Pin_2): length 10.4
  Top w0.2: U18.6 188.4,11.21 189.14,11.95 190.17,11.95 ; 195.35,13.28 195.35,14 194.67,14.68 192.34,14.68 191.35,13.7 191.35,13.03 J9#10.2
Board_9-Net-(J10-Pin_2): length 10.4
  Top w0.2: J10.2 183.07,13.09 183.07,13.75 184,14.68 186.34,14.68 187.02,14 187.02,13.28 ; 181.84,11.95 180.81,11.95 180.07,11.21 U20.6
Board_9-Net-(J11-Pin_2): length 10.4
  Top w0.2: 173.5,11.95 172.47,11.95 171.73,11.21 U22.6 ; J11#6.2 174.74,13.09 174.74,13.75 175.67,14.68 178.01,14.68 178.69,14 178.69,13.28
Board_9-Net-(J12-Pin_2): length 10.4
  Top w0.2: J12#7.2 166.35,13.03 166.35,13.7 167.34,14.68 169.67,14.68 170.35,14 170.35,13.28 ; U24#2.6 163.4,11.21 164.14,11.95 165.17,11.95
Board_9-Net-(J13-Pin_2): length 10.4
  Top w0.2: 156.84,11.95 155.81,11.95 155.07,11.21 U26#9.6 ; 162.02,13.28 162.02,14 161.34,14.68 159,14.68 158.07,13.75 158.07,13.09 J13#9.2
Board_9-Net-(J14-Pin_2): length 10.4
  Top w0.2: J14#9.2 149.74,13.09 149.74,13.75 150.67,14.68 150.67,14.68 153.01,14.68 153.69,14 153.69,13.28 ; 148.5,11.95 147.47,11.95 146.73,11.21 U28.6
Board_9-Net-(J15-Pin_2): length 10.4
  Top w0.2: U30#7.6 138.4,11.21 139.14,11.95 140.17,11.95 ; 145.35,13.28 145.35,14 144.67,14.68 142.34,14.68 141.35,13.7 141.35,13.03 J15#8.2
Board_9-Net-(J16-Pin_2): length 10.4
  Top w0.2: 131.84,11.95 130.81,11.95 130.07,11.21 U32#2.6 ; J16#7.2 133.07,13.09 133.07,13.75 134,14.68 136.34,14.68 137.02,14 137.02,13.28
Board_9-Net-(J17-Pin_2): length 10.4
  Top w0.2: 123.5,11.95 122.47,11.95 121.73,11.21 U34#6.6 ; 128.69,13.28 128.69,14 128.01,14.68 125.67,14.68 124.65,13.67 124.65,13 J17#10.2
Board_9-Net-(J18-Pin_2): length 10.4
  Top w0.2: 115.17,11.95 114.14,11.95 113.4,11.21 U36#9.6 ; 120.35,13.28 120.35,14 119.67,14.68 117.34,14.68 116.35,13.7 116.35,13.03 J18#3.2
Board_9-Net-(J19-Pin_2): length 10.4
  Top w0.2: 106.84,11.95 105.81,11.95 105.07,11.21 U38.6 ; J19#10.2 108.07,13.09 108.07,13.75 109,14.68 111.34,14.68 112.02,14 112.02,13.28
Board_9-Net-(J20-Pin_2): length 10.4
  Top w0.2: U40#9.6 96.73,11.21 97.47,11.95 98.5,11.95 ; J20.2 99.74,13.09 99.74,13.75 100.67,14.68 103.01,14.68 103.69,14 103.69,13.28
Board_9-Net-(J21-Pin_2): length 10.4
  Top w0.2: U42#3.6 88.4,11.21 89.14,11.95 90.17,11.95 ; 95.35,13.28 95.35,14 94.67,14.68 92.34,14.68 91.35,13.7 91.35,13.03 J21#10.2
Board_9-Net-(J22-Pin_2): length 10.4
  Top w0.2: 87.02,13.28 87.02,14 86.34,14.68 84,14.68 83.05,13.73 83.05,13.07 J22#2.2 ; U44#10.6 80.07,11.21 80.81,11.95 81.84,11.95
Board_9-Net-(J23-Pin_2): length 10.4
  Top w0.2: J23#10.2 74.74,13.09 74.74,13.75 75.67,14.68 78.01,14.68 78.69,14 78.69,13.28 ; 73.5,11.95 72.47,11.95 71.73,11.21 U46#4.6
Board_9-Net-(J24-Pin_2): length 10.4
  Top w0.2: 70.35,13.28 70.35,14 69.67,14.68 67.34,14.68 66.4,13.75 66.4,13.09 J24#4.2 ; 65.17,11.95 64.14,11.95 63.4,11.21 U48#2.6
Board_9-Net-(J25-Pin_2): length 10.4
  Top w0.2: 62.02,13.28 62.02,14 61.34,14.68 59,14.68 58.05,13.73 58.05,13.07 J25#10.2 ; 56.84,11.95 55.81,11.95 55.07,11.21 U50#4.6
Board_9-Net-(J26-Pin_2): length 10.4
  Top w0.2: J26#6.2 49.74,13.09 49.74,13.75 50.67,14.68 53.01,14.68 53.69,14 53.69,13.28 ; 48.5,11.95 47.47,11.95 46.73,11.21 U52#8.6
Board_9-Net-(J27-Pin_2): length 10.4
  Top w0.2: U54#7.6 38.4,11.21 39.14,11.95 40.17,11.95 ; J27#8.2 41.4,13.09 41.4,13.75 42.34,14.68 44.67,14.68 45.35,14 45.35,13.28
Board_9-Net-(J28-Pin_2): length 10.4
  Top w0.2: 31.84,11.95 30.81,11.95 30.07,11.21 U56#2.6 ; 37.02,13.28 37.02,14 36.34,14.68 34,14.68 33.05,13.73 33.05,13.07 J28#9.2
Board_9-Net-(J29-Pin_2): length 10.4
  Top w0.2: 23.5,11.95 22.47,11.95 21.73,11.21 U58#3.6 ; 28.69,13.28 28.69,14 28.01,14.68 25.67,14.68 24.74,13.75 24.74,13.09 J29#6.2
Board_9-Net-(J30-Pin_2): length 10.4
  Top w0.2: 20.35,13.28 20.35,14 19.67,14.68 17.34,14.68 16.4,13.75 16.4,13.09 J30.2 ; U60#3.6 13.4,11.21 14.14,11.95 15.17,11.95
Board_9-Net-(J31-Pin_2): length 7.2
  Top w0.2: 12.02,13.28 12.02,14 11.34,14.68 9,14.68 8.05,13.73 8.05,13.4 7.4,12.75 7.4,12.21
Board_9-Net-(U1-DIN): length 3.5
  Top w0.2: 251.17,13.73 251.17,12.67 251.63,12.2 252.13,12.2 252.54,11.79 252.54,11.08
Board_9-Net-(U3-DIN): length 3.5
  Top w0.2: 244.21,11.08 244.21,11.79 243.8,12.2 243.3,12.2 242.83,12.67 242.83,13.73
Board_9-Net-(U5-DIN): length 3.5
  Top w0.2: 235.88,11.05 235.88,11.76 235.47,12.17 234.97,12.17 234.5,12.64 234.5,13.7
Board_9-Net-(U7-DIN): length 3.5
  Top w0.2: 226.17,13.7 226.17,12.64 226.63,12.17 227.13,12.17 227.54,11.76 227.54,11.05
Board_9-Net-(U10-DOUT): length 3.5
  Top w0.2: 217.85,13.7 217.85,12.64 218.32,12.17 218.82,12.17 219.22,11.76 219.22,11.05
Board_9-Net-(U11-DIN): length 3.5
  Top w0.2: 210.88,11.05 210.88,11.76 210.47,12.17 209.97,12.17 209.5,12.64 209.5,13.7
Board_9-Net-(U13-DIN): length 3.5
  Top w0.2: 201.15,13.73 201.15,12.67 201.62,12.2 202.12,12.2 202.53,11.79 202.53,11.08
Board_9-Net-(U15-DIN): length 3.5
  Top w0.2: 194.21,11.08 194.21,11.79 193.8,12.2 193.3,12.2 192.83,12.67 192.83,13.73
Board_9-Net-(U17-DIN): length 3.5
  Top w0.2: 184.5,13.73 184.5,12.67 184.97,12.2 185.47,12.2 185.88,11.79 185.88,11.08
Board_9-Net-(U19-DIN): length 3.5
  Top w0.2: 176.17,13.73 176.17,12.67 176.63,12.2 177.13,12.2 177.54,11.79 177.54,11.08
Board_9-Net-(U21-DIN): length 3.5
  Top w0.2: 167.85,13.73 167.85,12.67 168.32,12.2 168.82,12.2 169.22,11.79 169.22,11.08
Board_9-Net-(U23-DIN): length 3.5
  Top w0.2: 160.88,11.08 160.88,11.79 160.47,12.2 159.97,12.2 159.5,12.67 159.5,13.73
Board_9-Net-(U25-DIN): length 3.5
  Top w0.2: 152.54,11.08 152.54,11.79 152.13,12.2 151.63,12.2 151.17,12.67 151.17,13.73
Board_9-Net-(U27-DIN): length 3.5
  Top w0.2: 142.85,13.73 142.85,12.67 143.32,12.2 143.82,12.2 144.22,11.79 144.22,11.08
Board_9-Net-(U29-DIN): length 3.5
  Top w0.2: 135.88,11.08 135.88,11.79 135.47,12.2 134.97,12.2 134.5,12.67 134.5,13.73
Board_9-Net-(U31-DIN): length 3.5
  Top w0.2: 127.54,11.08 127.54,11.79 127.13,12.2 126.63,12.2 126.17,12.67 126.17,13.73
Board_9-Net-(U33-DIN): length 3.5
  Top w0.2: 119.22,11.08 119.22,11.79 118.82,12.2 118.32,12.2 117.85,12.67 117.85,13.73
Board_9-Net-(U35-DIN): length 3.5
  Top w0.2: 109.5,13.76 109.5,12.7 109.97,12.23 110.47,12.23 110.88,11.82 110.88,11.11
Board_9-Net-(U37-DIN): length 3.5
  Top w0.2: 102.54,11.11 102.54,11.82 102.13,12.23 101.63,12.23 101.17,12.7 101.17,13.76
Board_9-Net-(U39-DIN): length 3.5
  Top w0.2: 92.85,13.66 92.85,12.6 93.32,12.13 93.82,12.13 94.22,11.72 94.22,11.01
Board_9-Net-(U41-DIN): length 3.5
  Top w0.2: 84.5,13.73 84.5,12.67 84.97,12.2 85.47,12.2 85.88,11.79 85.88,11.08
Board_9-Net-(U43-DIN): length 3.5
  Top w0.2: 77.53,11.08 77.53,11.79 77.12,12.2 76.62,12.2 76.15,12.67 76.15,13.73
Board_9-Net-(U45-DIN): length 3.5
  Top w0.2: 69.21,11.11 69.21,11.82 68.8,12.23 68.3,12.23 67.83,12.7 67.83,13.76
Board_9-Net-(U47-DIN): length 3.5
  Top w0.2: 59.52,13.69 59.52,12.63 59.98,12.17 60.48,12.17 60.89,11.76 60.89,11.04
Board_9-Net-(U49-DIN): length 3.5
  Top w0.2: 52.54,11.08 52.54,11.79 52.13,12.2 51.63,12.2 51.17,12.67 51.17,13.73
Board_9-Net-(U51-DIN): length 3.5
  Top w0.2: 42.83,13.76 42.83,12.7 43.3,12.23 43.8,12.23 44.21,11.82 44.21,11.11
Board_9-Net-(U53-DIN): length 3.5
  Top w0.2: 34.55,13.66 34.55,12.6 35.02,12.13 35.52,12.13 35.92,11.72 35.92,11.01
Board_9-Net-(U55-DIN): length 3.5
  Top w0.2: 27.54,11.04 27.54,11.76 27.13,12.17 26.63,12.17 26.17,12.63 26.17,13.69
Board_9-Net-(U57-DIN): length 3.5
  Top w0.2: 19.21,11.11 19.21,11.82 18.8,12.23 18.3,12.23 17.83,12.7 17.83,13.76
Board_9-Net-(U59-DIN): length 3.5
  Top w0.2: 9.5,13.66 9.5,12.6 9.97,12.13 10.47,12.13 10.88,11.72 10.88,11.01

## Copper pours and planes (outline as drawn; the poured copper is in the pictures)
Board_0-+3.3V on Top, Bottom: 6.25,120 257.25,120 257.25,114.5 6.25,114.8
Board_0-GND on Top, Bottom: 6.25,120.25 6.25,125.3 257.25,125.3 257.25,120.25
Board_1-+3.3V on Top, Bottom: 257.75,108 6.75,108 6.75,113.5 257.75,113.2
Board_1-GND on Top, Bottom: 257.75,107.75 257.75,102.7 6.75,102.7 6.75,107.75
Board_2-+3.3V on Top, Bottom: 6.25,96 257.25,96 257.25,90.5 6.25,90.8
Board_2-GND on Top, Bottom: 6.25,96.25 6.25,101.3 257.25,101.3 257.25,96.25
Board_3-+3.3V on Top, Bottom: 257.75,84 6.75,84 6.75,89.5 257.75,89.2
Board_3-GND on Top, Bottom: 257.75,83.75 257.75,78.7 6.75,78.7 6.75,83.75
Board_4-+3.3V on Top, Bottom: 6.25,72 257.25,72 257.25,66.5 6.25,66.8
Board_4-GND on Top, Bottom: 6.25,72.25 6.25,77.3 257.25,77.3 257.25,72.25
Board_5-+3.3V on Top, Bottom: 257.75,60 6.75,60 6.75,65.5 257.75,65.2
Board_5-GND on Top, Bottom: 257.75,59.75 257.75,54.7 6.75,54.7 6.75,59.75
Board_6-+3.3V on Top, Bottom: 6.25,48 257.25,48 257.25,42.5 6.25,42.8
Board_6-GND on Top, Bottom: 6.25,48.25 6.25,53.3 257.25,53.3 257.25,48.25
Board_7-+3.3V on Top, Bottom: 257.75,36 6.75,36 6.75,41.5 257.75,41.2
Board_7-GND on Top, Bottom: 257.75,35.75 257.75,30.7 6.75,30.7 6.75,35.75
Board_8-+3.3V on Top, Bottom: 6.25,24 257.25,24 257.25,18.5 6.25,18.8
Board_8-GND on Top, Bottom: 6.25,24.25 6.25,29.3 257.25,29.3 257.25,24.25
Board_9-+3.3V on Top, Bottom: 257.75,12 6.75,12 6.75,17.5 257.75,17.2
Board_9-GND on Top, Bottom: 257.75,11.75 257.75,6.7 6.75,6.7 6.75,11.75

## Text on the board
F.Mask: rgbstrip120_250   cnhardware         rev -
F.Silkscreen: rgbwstrip120_250 | Created on 2025-05-26
